# Allegro board DuoModule 01 Evaluation Board V1.1.brd (continued)
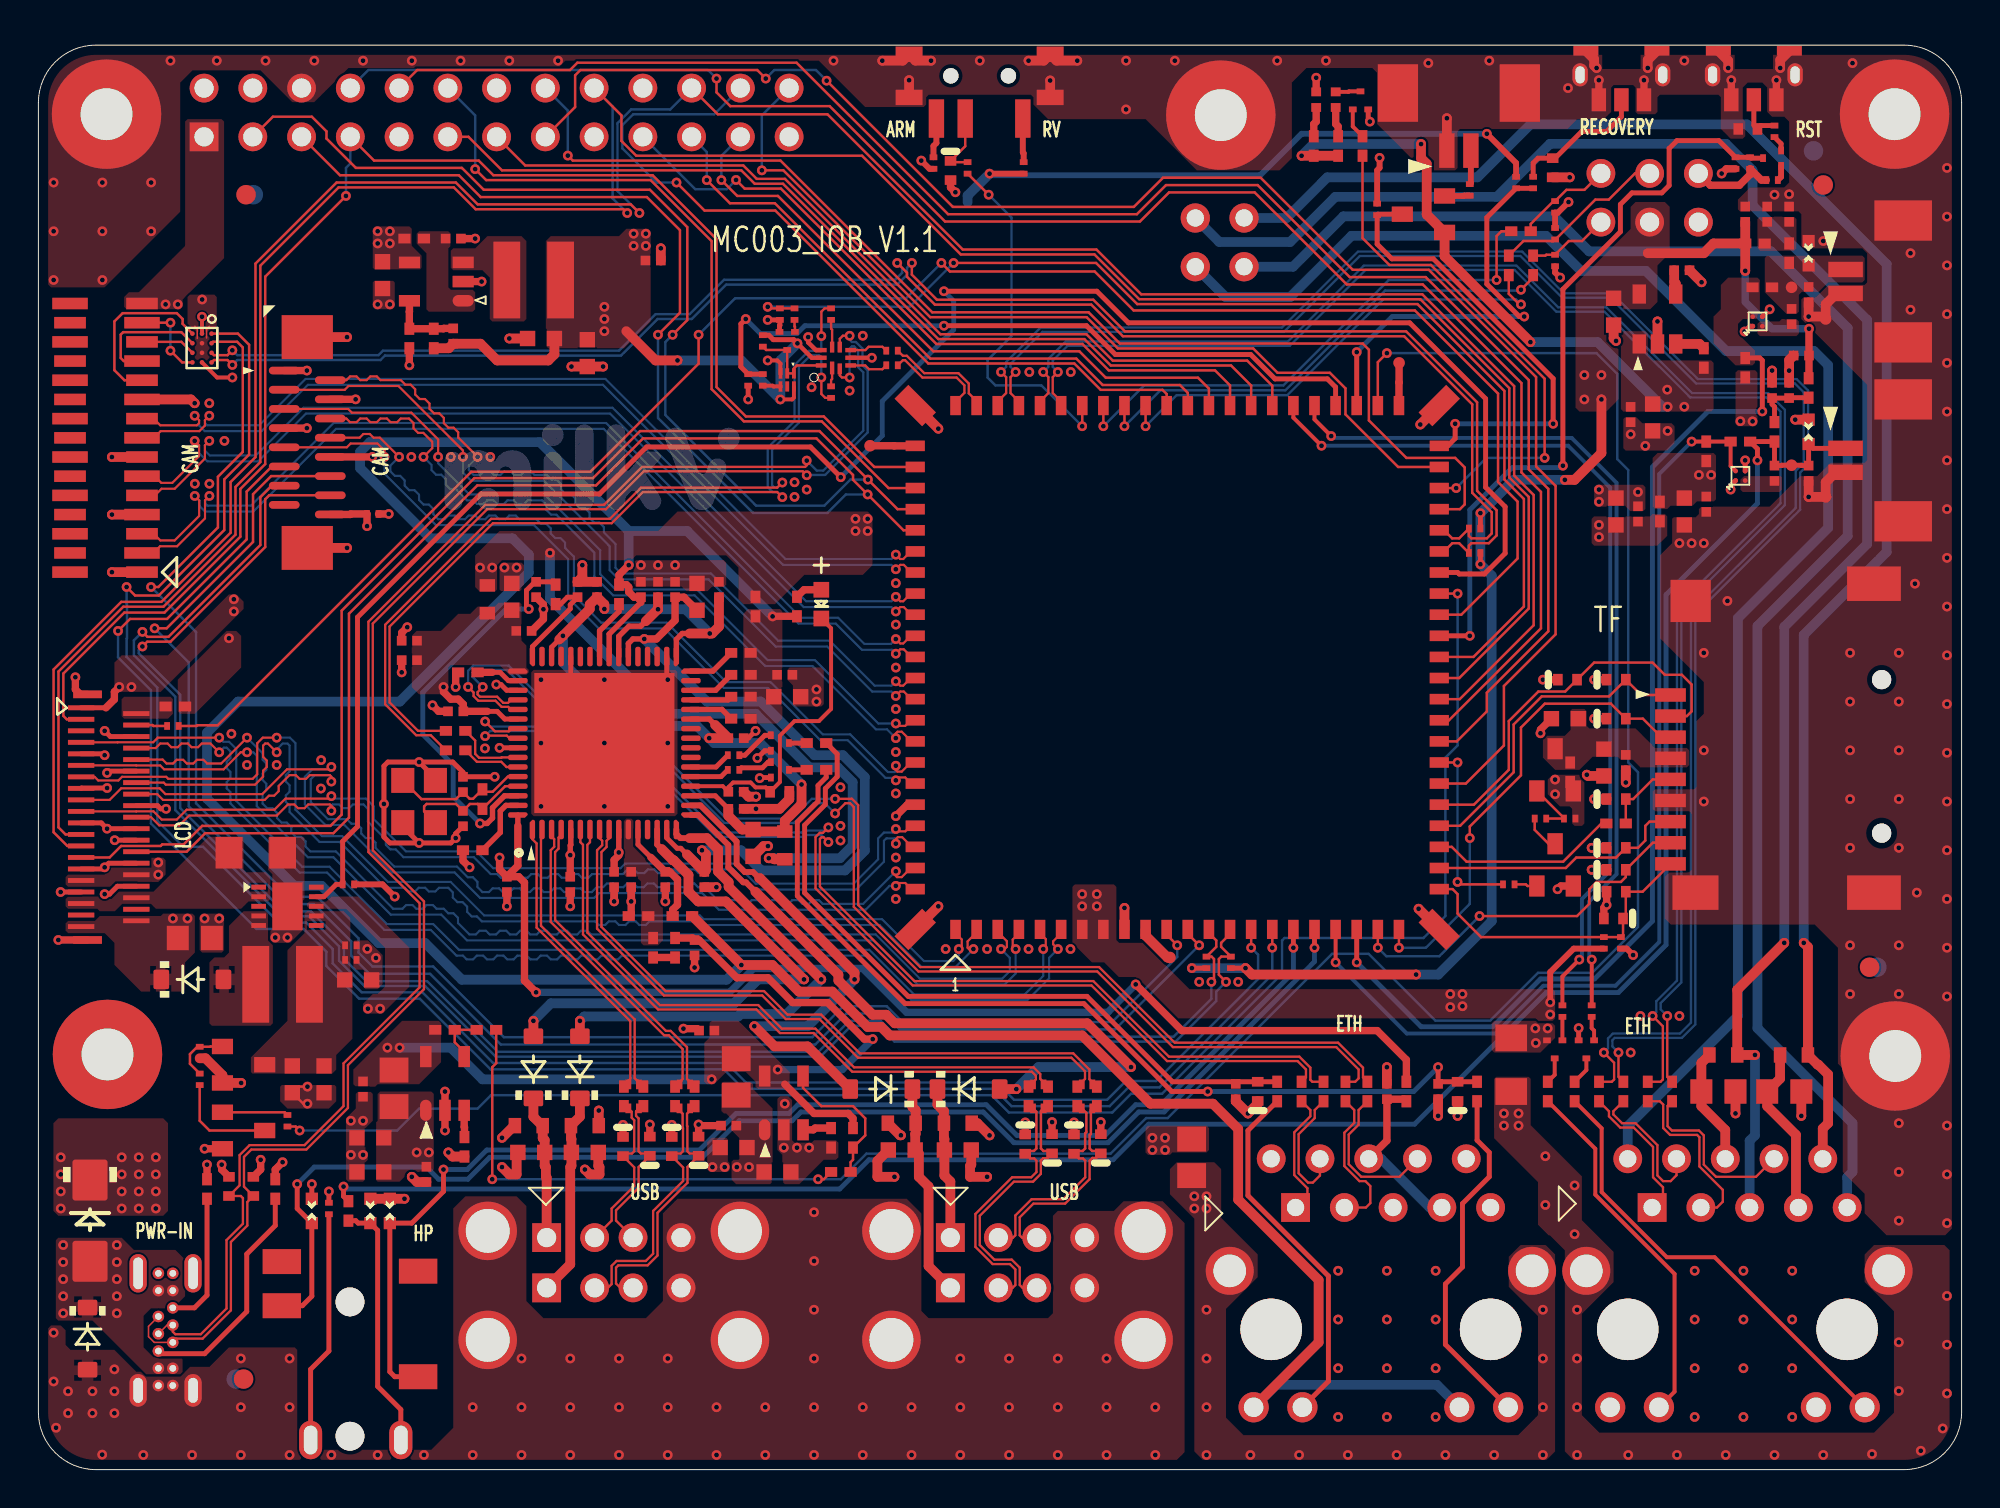
[diagram p0: board, top side]
## Routing (per net, layer and track width the routed paths; a pad name or vN(x,y) marks a point on that pad's centre or on a via; arc(x,y) is an arc through that point) (continued)
N18586338: length 1
  TOP w0.119: U2.1 41.35,56.84 41.3,56.79 R22.2
N18586356: length 1.4
  TOP w0.119: U2.7 41.35,59.4 41.3,59.46 R24.2
N18586378: length 2
  TOP w0.119: R23.1 43.97,57.35 43.27,57.35 43.07,57.54 U2.3
N18586396: length 2
  TOP w0.119: U2.5 43.08,58.34 43.25,58.52 43.97,58.52 R25.1
N18599056: length 2.1
  TOP w0.254: Q5.1 37.85,38.27 36.81,37.23 R54.1
N18599095: length 0.9
  TOP w0.254: Q5.3 R48.2
N18599652: length 0.9
  TOP w0.254: R49.2 39.1,36.47
N18599656: length 1.8
  TOP w0.254: R55.1 36.62,36.57 37.72,36.57 38.02,36.87 Q4.1
N18603087: length 8.9
  TOP w0.508: JP2.7 91.56,13.79 91.56,17.44 90.07,18.94 C83.2 90.74,20.38 R102.2
N18603089: length 6.1
  TOP w0.508: JP2.4 87.88,17.7 86.64,18.94 C82.2 86.64,21.19 R103.2
N18604088: length 1.4
  TOP w0.203: Q11.3 78.99,20.57 78.63,20.21
N18604090: length 1.2
  TOP w0.203: R109.1 Q11.1
N18604128: length 1.5
  TOP w0.203: 80.03,20.21 80.65,20.83 Q12.3
N18604135: length 1.3
  TOP w0.203: Q12.1 81.05,22.88 80.92,23.01 R111.1
N18608962: length 4
  TOP w0.127: R64.2 ED9.1 83.08,34.94 84.1,35.97 CN14A1.5
N18609805: length 2.9
  TOP w0.127: R62.1 R61.2 79.48,33.96 Q6.1
N18609875: length 1.2
  TOP w0.127: Q7.1 77.58,30.42 77.49,30.5 R63.2
N18609896: length 2
  TOP w0.127: Q7.3 78.68,32.62 77.95,33.34 R62.2
N18611461: length 1.6
  TOP w0.381: D21.1 66.57,70.25 66.44,70.12 R6.2
N18623706: length 13.2
  TOP w0.254: J5.5 18.88,3.13 17.67,4.34 17.67,12.47 ED13.1 16.66,12.85 16.53,12.97 R89.2
N18623715: length 12.2
  TOP w0.254: J5.2 14.18,5.23 15.13,6.18 R88.2
N18625542: length 1.3
  TOP w0.305: D22.2 74.25,66.37 74.27,66.39 R122.2
N18627362: length 9.1
  TOP w0.127: R112.1 77.36,64.03 78.93,64.03 R117.1 79.04,64.11 81.11,66.19 81.81,66.19 83.18,67.55 J15.4
N18627380: length 4.3
  TOP w0.127: J15.5 80.42,64.03 79.73,64.03 R116.1 78.55,63.31 78.51,63.27 R113.1
N18627382: length 5.1
  TOP w0.127: J15.6 80.54,66.69 79.6,66.69 R115.1 78.93,66.11 77.75,64.92 R114.1
N183479583: length 0.9
  TOP w0.203: R31.1 38.25,56.49 38.29,56.45 U3.4
N185233440: length 1.1
  TOP w0.381: FB4.1 R16.1
N185616840: length 0.8
  TOP w0.305: R1.1 90.79,67.37 Q1.1
N185618232: length 2.1
  TOP w0.305: R10.1 46.63,68.98 46.78,69.13 J1.3

## Copper pours and planes (outline as drawn; the poured copper is in the pictures)
1V8 on TOP: 7.39,39.39 8.15,39.39 10.56,41.8 10.56,43.45 10.31,43.71 9.8,43.71 7.26,41.17 7.26,39.52
1V8 on TOP: 8.28,57.8 8.78,57.8 8.91,57.93 8.91,59.2 9.29,59.58 9.29,61.11 9.17,61.23 7.9,61.23 7.77,61.11 7.77,59.58 8.15,59.2 8.15,57.93
1V8 on TOP: 82.95,65.81 82.95,64.66 80.08,61.79 80.08,55.35 80.29,55.14 81.68,55.14 82.32,55.77 82.32,60.34 82.44,60.47 83.97,60.47 84.35,60.85 84.35,62.76 84.98,63.39 84.98,65.81 84.73,66.06 83.21,66.06
1V8 on BOTTOM: 10.44,43.2 10.44,43.71 5.1,49.04 5.1,59.96 6.37,61.23 7.51,61.23 8.02,60.73 9.17,60.73 10.82,62.38 26.56,62.38 27.45,61.49 34.57,61.49 36.34,63.27 47.77,63.27 48.15,62.88 48.15,59.58 47.14,58.57 47.14,54.88 51.08,50.95 63.78,50.95 67.97,55.14 81.43,55.14 81.68,55.39 81.68,57.3 81.3,57.68 67.71,57.68 63.65,53.61 51.71,53.61 49.17,56.15 49.17,57.8 50.44,59.07 50.44,64.41 48.66,66.19 35.84,66.19 33.04,63.39 29.23,63.39 28.85,63.77 20.6,63.77 20.34,63.52 6.88,63.52 3.96,60.6 3.96,48.66 9.67,42.95 10.18,42.95
3V3 on TOP: 9.55,70.38 7.77,70.38 7.64,70.25 7.64,63.77 5.23,61.36 4.72,61.36 4.47,61.11 4.47,60.6 4.59,60.47 7.39,60.47 7.51,60.6 7.51,60.98 9.67,63.14 9.67,70.25
3V3 on TOP: 6.75,42.44 4.34,42.44 3.96,42.06 3.96,40.66 4.09,40.53 6.37,40.53 10.69,44.85 10.69,45.23 10.31,45.61 9.93,45.61
3V3 on TOP: 82.44,59.2 82.44,55.26 82.57,55.14 87.14,55.14 87.27,55.26 87.27,57.68 87.14,57.8 84.1,57.8 83.84,58.06 83.84,59.2 83.71,59.33 82.57,59.33
3V3 on TOP: 80.29,36.21 78.89,36.21 78.63,35.96 78.63,35.2 79.27,34.56 79.78,34.56 79.9,34.44 79.9,33.67 80.03,33.55 80.41,33.55 80.54,33.67 80.54,35.96
3V3 on TOP: 59.33,23.51 57.17,25.67 56.28,25.67 55.52,26.44 54.89,26.44 53.87,27.45 53.87,30.37 54,30.5 56.03,30.5 56.16,30.37 56.16,27.6 56.3,27.45 57.55,27.45 59.97,25.04 78.89,25.04 79.02,24.91 79.02,23.51 78.89,23.39 78.13,23.39 78,23.51
3V3 on TOP: 24.02,48.91 32.28,48.91 33.3,49.93 43.2,49.93 43.46,49.68 43.46,47.14 42.95,46.63 39.9,46.63 38.38,45.1 36.72,45.1 36.47,45.36 36.47,47.01 35.84,47.64 31.14,47.64 30.88,47.39 24.15,47.39 23.9,47.14 23.9,45.87 23.77,45.74 23.01,45.74 22.75,45.99 22.75,47.64
3V3 on TOP: 1.55,30.37 4.09,30.37 4.34,30.63 6.24,30.63 6.63,31.01 6.63,31.76 6.5,31.89 5.36,31.89 4.85,31.37 3.82,31.37 3.45,31.01 1.55,31.01 1.42,30.88 1.42,30.5
3V3 on TOP: 80.92,48.28 80.92,49.55 81.05,49.68 83.97,49.68 84.1,49.8 84.73,49.8 84.86,49.68 84.86,48.66 84.35,48.15 81.05,48.15
3V3 on TOP: 26.44,58.57 26.44,64.03 26.69,64.28 30.25,64.28 30.63,64.66 31.77,64.66 31.9,64.54 31.9,59.84 30.5,58.44 26.56,58.44
3V3 on BOTTOM: 3.58,32.79 5.74,30.63 6.24,30.63 6.63,31.01 6.63,32.28 5.61,33.29 5.61,40.41 4.85,41.17 4.21,41.17 3.96,40.91 3.96,40.41 3.58,40.02
3V3 on BOTTOM: 73.17,25.04 76.22,28.09 76.22,48.79 77.24,49.8 81.3,49.8 81.56,49.55 81.56,48.03 80.03,46.5 80.03,27.71 75.97,23.64 73.55,23.64 73.17,24.02
3V3 on BOTTOM: 78.51,17.93 78.51,24.53 78.63,24.66 80.54,24.66 81.17,24.02 81.17,18.31 82.06,17.42 82.06,15.39 83.21,14.24 83.21,13.1 90.57,5.73 92.48,5.73 93.49,4.72 93.49,2.69 93.11,2.31 81.43,2.31 80.92,2.81 80.92,3.58 81.56,4.21 82.32,4.21 85.24,7.13 85.24,9.16 80.98,13.42 80.98,15.45
3V3 on BOTTOM: 5.23,49.17 5.23,59.96 6.37,61.11 7.39,61.11 7.9,60.6 9.29,60.6 10.94,62.25 23.52,62.25 23.64,62.12 26.56,62.12 27.33,61.36 30.25,61.36 30.37,61.23 30.37,59.46 29.99,59.07 15.64,59.07 15.39,58.82 10.18,58.82 9.74,58.38 9.74,57.61 7.77,55.65 7.77,50.31 8.53,49.55 17.55,49.55 19.07,48.03 23.64,48.03 23.9,47.77 23.9,46.12 22.63,44.85 18.44,44.85 17.8,44.22 10.18,44.22
3V3 on BOTTOM: 31.9,63.52 29.36,63.52 27.83,65.04 27.83,70.25 27.96,70.38 29.61,70.38 29.74,70.25 29.74,65.93 30.25,65.42 31.77,65.42 32.03,65.17 32.03,63.65
3V3 on GND2: 53.98,29.1 53.87,29.21 53.87,40.51 45.72,48.66 42.29,48.66 42.06,48.89 42.06,49.7 42.29,49.93 43.43,49.93 43.94,50.44 47.16,50.44 55.9,41.7 55.9,29.21 55.8,29.1
3V3 on GND2: 81.15,47.77 80.92,48 80.92,49.32 83.97,52.37 83.97,63.03 85.62,64.68 85.62,68.24 85.98,68.6 87.29,68.6 89.3,66.59 89.3,61.97 88.03,60.7 88.03,52.7 83.1,47.77
3V3_A on TOP: 24.53,41.42 25.42,41.42 25.55,41.55 25.55,41.68 25.42,41.8 25.42,42.95 25.17,43.2 25.17,45.1 25.09,45.19 23.98,45.19 23.77,44.98 22.88,44.98 22.5,44.6 21.87,44.6 20.98,43.71 19.71,43.71 19.45,43.45 19.45,40.79 19.83,40.41 21.23,40.41 21.36,40.53 21.36,41.8 21.48,41.93 24.02,41.93
3V3_A on BOTTOM: 20.85,40.91 20.98,41.04 21.36,41.04 21.48,40.91 21.48,40.66 21.74,40.41 23.39,40.41 23.52,40.53 23.52,41.04 23.64,41.17 24.15,41.17 24.28,41.04 24.28,39.77 23.9,39.39 23.14,39.39 22.88,39.14 22.88,37.36 23.01,37.23 23.52,37.23 23.64,37.36 23.64,37.87 23.77,37.99 25.29,37.99 30.5,32.79 30.5,31.9 30.25,31.64 23.9,31.64 23.77,31.77 23.77,34.18 21.99,35.96 21.99,36.98 20.85,38.12
3V3_AUDIO on TOP: 84.22,50.06 84.86,50.06 85.03,50.23 86.17,50.23 86.41,50.46 87.29,50.46 87.4,50.57 87.4,52.85 87.27,52.98 84.35,52.98 84.1,52.72 84.1,50.18
3V3_AUDIO on TOP: 88.41,54.5 88.41,57.17 88.54,57.3 89.43,57.3 89.56,57.17 89.56,54.5 89.43,54.38 88.54,54.38
3V3_AUDIO on BOTTOM: 88.41,55.01 89.3,55.01 89.56,54.76 89.56,53.87 87.27,51.58 86.38,51.58 86.13,51.84 86.13,52.72
3V3_SD on TOP: 80.54,39.64 79.9,39.64 79.82,39.56 79.82,38.55 79.52,38.25 78.51,38.25 78.38,38.12 78.38,37.1 79.02,36.47 80.29,36.47 80.97,37.15 82.27,37.15 82.44,36.98 83.08,36.98 83.46,36.6 85.87,36.6 86,36.72 86,37.48 85.87,37.61 84.22,37.61 83.21,38.63 80.79,38.63 80.67,38.75 80.67,39.52
GND on TOP: 38.76,15.01 38.76,16.4 38.5,16.66 38.5,19.32 38.63,19.45 39.14,19.45 39.26,19.32 39.26,17.16 39.39,17.04 40.28,17.04 40.41,17.16 41.55,17.16 41.68,17.04 41.68,16.28 41.55,16.15 40.92,16.15 39.65,14.88 38.88,14.88
GND on TOP: 25.68,34.18 25.68,41.55 25.8,41.68 33.17,41.68 33.3,41.55 33.3,34.18 33.17,34.06 25.8,34.06
GND on TOP: 3,0.51 1.24,1.24 0.51,3 0.51,7.36 0.53,7.39 0.54,7.38 0.54,7.39 0.66,7.51 1.16,7.51 1.42,7.26 1.42,6.5 1.67,6.24 3.96,6.24 5.1,5.1 5.36,5.1 5.61,4.85 7.39,4.85 7.9,5.35 8.91,5.35 9.93,6.37 13.36,6.37 13.48,6.24 13.48,1.16 14.63,1.16 14.75,1.04 20.47,1.04 21.61,2.18 21.61,13.61 22.25,14.24 24.91,14.24 25.42,13.74 25.42,8.78 26.31,7.89 31.64,7.89 32.53,8.78 32.53,13.35 33.3,14.12 45.23,14.12 46,13.35 46,8.27 46.38,7.89 52.6,7.89 52.85,8.15 52.85,13.23 53.11,13.48 56.03,13.48 56.54,13.99 58.57,13.99 59.71,12.85 59.71,0.91 59.31,0.51
GND on TOP: 17.55,62 18.44,62 18.56,61.87 18.56,60.6 18.44,60.47 17.55,60.47 17.42,60.6 17.42,61.87
GND on TOP: 8.4,27.07 8.4,28.85 8.53,28.98 9.55,28.98 9.67,28.85 9.67,27.07 9.55,26.94 8.53,26.94
GND on TOP: 25.17,47.26 25.29,47.14 25.29,46.12 25.17,45.99 25.17,45.87 25.04,45.74 24.15,45.74 24.02,45.87 24.02,47.14 24.15,47.26
GND on TOP: 83.26,54.84 83.56,54.53 85.08,54.53 85.24,54.38 85.24,53.49 84.86,53.11 82.7,53.11 82.57,53.23 82.57,54.76 82.65,54.84
GND on TOP: 13.92,20.21 14.12,20.21 14.29,20.04 15.44,20.04 15.52,19.96 15.52,19.2 15.13,18.82 12.98,18.82 12.59,19.2 12.59,19.96 12.68,20.04 13.74,20.04
GND on TOP: 16.02,15.13 16.02,18.31 16.53,18.82 16.53,19.58 16.64,19.68 17.32,19.68 17.42,19.58 17.42,18.18 17.04,17.8 17.04,16.66 17.17,16.53 17.17,16.15 17.04,16.02 17.04,15.13 16.91,15.01 16.15,15.01
GND on TOP: 34.85,15.64 34.85,17.06 35.07,17.29 35.84,17.29 35.92,17.21 35.92,16.07 36.09,15.89 36.09,15.69 35.91,15.51 34.97,15.51
GND on TOP: 81.17,50.18 82.7,50.18 82.95,49.93 83.59,49.93 83.71,50.06 83.71,51.2 83.59,51.33 81.17,51.33 81.05,51.2 81.05,50.31
GND on TOP: 12.21,27.45 13.1,27.45 13.74,28.09 13.74,29.61 13.86,29.74 13.86,32.91 13.74,33.04 12.09,33.04 11.96,32.91 11.96,31.26 12.19,31.03 12.19,28.19 12.09,28.09 12.09,27.58
GND on TOP: 17.67,25.04 17.04,25.04 16.96,25.12 16.96,26.02 16.93,26.05 16.53,26.05 16.4,26.18 16.4,27.5 16.48,27.58 17.17,27.58 17.93,26.82 17.93,25.29
GND on TOP: 60.85,16.53 59.08,16.53 58.95,16.4 57.81,16.4 57.68,16.53 57.68,17.8 57.81,17.93 60.85,17.93 60.98,17.8 60.98,16.66
GND on TOP: 39.14,41.8 40.79,41.8 40.92,41.68 40.92,39.9 40.79,39.77 39.39,39.77 39.31,39.85 39.31,40.87 39.01,41.17 39.01,41.68
GND on TOP: 33.67,45.87 33.68,45.87 33.8,45.74 34.82,45.74 35.07,45.99 35.71,45.99 35.84,46.12 35.84,47.26 35.71,47.39 31.14,47.39 31.01,47.26 31.01,46.12 31.11,46.02 33.52,46.02
GND on TOP: 75.71,21.86 75.71,23.26 75.84,23.39 78,23.39 78.13,23.26 78.89,23.26 79.02,23.13 79.02,22.5 78.25,21.74 75.84,21.74
GND on TOP: 96.29,12.21 95.14,13.35 95.14,14.37 94,15.51 94,20.72 93.75,20.97 93.75,27.2 92.54,28.4 85.05,28.4 84.73,28.72 84.73,30.88 84.98,31.13 86,31.13 86.13,31.26 86.13,34.18 86,34.31 84.22,34.31 84.1,34.44 84.1,35.33 84.22,35.45 86.25,35.45 86.38,35.58 86.38,39.01 86.76,39.39 86.76,41.04 84.48,43.33 84.48,47.64 85.11,48.28 85.11,49.55 85.19,49.63 86.34,49.63 86.51,49.8 86.51,50.06 86.64,50.18 90.19,50.18 91.78,51.77 92.67,51.77 93.37,52.47 95.14,52.47 95.27,52.6 95.27,56.53 91.84,59.96 91.84,60.98 91.97,61.11 92.6,61.11 93.24,61.74 95.14,61.74 95.27,61.87 95.27,63.39 95.02,63.65 91.97,63.65 91.84,63.77 91.84,65.42 91.69,65.57 88.64,65.57 88.54,65.68 88.54,66.19 89.18,66.82 90.95,66.82 91.21,67.08 91.21,70.25 90.95,70.5 90.32,70.5 90.06,70.76 90.06,72.03 89.81,72.28 89.05,72.28 88.79,72.03 88.79,70.38 88.92,70.25 88.92,69.49 88.79,69.36 88.16,69.36 87.65,69.87 87.65,71.52 87.52,71.65 84.48,71.65 84.35,71.52 84.35,70.76 84.22,70.63 83.33,70.63 83.21,70.76 83.21,72.03 83.08,72.16 82.06,72.16 81.94,72.03 81.94,70.76 81.56,70.38 80.16,70.38 79.65,69.87 74.06,69.87 73.94,69.74 73.94,67.84 73.81,67.71 72.16,67.71 69.74,70.12 69.74,72.79 69.49,73.04 66.06,73.04 65.3,72.28 65.3,68.35 64.66,67.71 60.35,67.71 57.68,70.38 52.6,70.38 51.84,71.14 51.84,71.52 51.71,71.65 46.38,71.65 46.25,71.52 46.25,71.14 46.12,71.01 43.07,71.01 40.66,73.43 27.45,73.43 27.07,73.04 16.15,73.04 14.37,71.27 13.23,71.27 11.58,72.92 8.02,72.92 7.39,72.28 7.39,65.55 3.45,61.61 0.66,61.61 0.51,61.76 0.51,71.24 1.24,73 3,73.73 97.19,73.73 98.96,73 99.69,71.24 99.69,12.56 99.34,12.21
GND on BOTTOM: 17.67,33.93 17.67,36.85 17.93,37.1 20.98,37.1 21.36,36.72 21.36,34.82 21.99,34.18 21.99,32.66 21.74,32.4 19.2,32.4
GND on BOTTOM: 96.67,12.21 96.54,12.34 96.54,17.55 93.62,20.47 93.62,42.95 97.18,46.5 97.18,64.79 90.32,71.65 71.14,71.65 70.38,70.89 65.3,70.89 63.01,68.6 59.46,68.6 58.44,69.62 56.66,69.62 54.89,71.39 53.87,71.39 52.98,70.5 43.46,70.5 40.79,73.17 6.88,73.17 6.37,72.66 6.37,69.49 1.04,64.15 0.53,64.15 0.51,64.18 0.51,71.24 1.24,73 3,73.73 97.19,73.73 98.96,73 99.69,71.24 99.69,12.56 99.34,12.21
GND on BOTTOM: 46.12,28.09 72.67,28.09 73.05,28.47 73.05,49.93 72.54,50.44 46,50.44 45.61,50.06 45.61,28.59
GND on BOTTOM: 3,0.51 1.24,1.24 0.51,3 0.51,7.36 0.66,7.51 1.16,7.51 1.42,7.26 1.42,6.12 1.8,5.73 4.72,5.73 5.74,4.72 7.39,4.72 17.17,14.5 22.12,14.5 22.37,14.24 42.31,14.24 43.58,15.51 57.04,15.51 59.71,12.85 59.71,0.91 59.31,0.51
GND on GND2: 3,0.51 1.24,1.24 0.51,3 0.51,71.24 1.24,73 3,73.73 97.19,73.73 98.96,73 99.69,71.24 99.69,12.6 99.29,12.21 95.42,12.21 94.64,11.43 94.64,9.57 96.16,8.04 96.16,3.17 95.42,2.43 81.53,2.43 80.92,3.05 80.92,7.92 82.57,9.57 82.57,11.55 80.92,13.21 80.92,15.49 78.25,18.16 78.25,20.57 77.85,20.97 75.74,20.97 75.33,20.57 75.33,17.06 77.62,14.77 77.62,12.76 77.07,12.21 77.01,12.21 76.09,11.3 76.09,9.31 77.62,7.79 77.62,3.05 76.88,2.31 62.99,2.31 62.38,2.92 62.38,8.17 64.03,9.82 64.03,11.43 62.12,13.33 62.12,15.87 61.47,16.53 59.1,16.53 58.44,15.87 58.44,14.14 59.71,12.87 59.71,0.95 59.27,0.51 ; 2 cut-outs
GND on GND3: 3,0.51 1.24,1.24 0.51,3 0.51,71.24 1.24,73 3,73.73 97.19,73.73 98.96,73 99.69,71.24 99.69,12.6 99.29,12.21 95.42,12.21 94.64,11.43 94.64,9.57 96.16,8.04 96.16,3.17 95.42,2.43 81.53,2.43 80.92,3.05 80.92,7.92 82.57,9.57 82.57,11.55 80.92,13.21 80.92,15.49 78.25,18.16 78.25,20.57 77.85,20.97 75.74,20.97 75.33,20.57 75.33,17.06 77.62,14.77 77.62,12.76 77.07,12.21 77.01,12.21 76.09,11.3 76.09,9.31 77.62,7.79 77.62,3.05 76.88,2.31 62.99,2.31 62.38,2.92 62.38,8.17 64.03,9.82 64.03,11.43 62.12,13.33 62.12,15.87 61.47,16.53 59.1,16.53 58.44,15.87 58.44,14.14 59.71,12.87 59.71,0.95 59.27,0.51
GND_EARTH on TOP: 75.84,20.34 75.97,20.47 77.49,20.47 77.62,20.34 77.62,17.67 77.49,17.55 76.09,17.55 75.84,17.8
GND_EARTH on TOP: 79.97,0.51 79.52,0.95 79.52,11.43 78.74,12.21 78.68,12.21 78.13,12.76 78.13,14.98 75.84,17.27 75.84,20.36 75.95,20.47 77.64,20.47 77.75,20.36 77.75,17.95 80.41,15.28 80.41,13 82.06,11.34 82.06,9.78 80.41,8.13 80.41,2.84 81.32,1.92 95.63,1.92 96.67,2.96 96.67,8.25 95.14,9.78 95.14,11.22 95.63,11.7 99.29,11.7 99.57,11.43 99.57,2.25 98.67,0.99 97.19,0.51
GND_EARTH on BOTTOM, GND2, GND3: 79.97,0.51 79.52,0.95 79.52,11.43 78.74,12.21 78.68,12.21 78.13,12.76 78.13,14.98 75.84,17.27 75.84,20.36 75.95,20.47 77.64,20.47 77.75,20.36 77.75,17.95 80.41,15.28 80.41,13 82.06,11.34 82.06,9.78 80.41,8.13 80.41,2.84 81.32,1.92 95.63,1.92 96.67,2.96 96.67,8.25 95.14,9.78 95.14,11.22 95.63,11.7 99.29,11.7 99.69,11.31 99.69,3 98.96,1.24 97.19,0.51
VBUS on TOP: 4.34,12.08 4.97,11.45 7.13,11.45 7.64,10.94 7.64,9.04 7.01,8.4 5.86,8.4 5.48,8.02 5.48,6.37 5.99,5.86 7.39,5.86 7.51,5.73 7.51,5.1 7.39,4.97 5.61,4.97 2.82,7.77 1.04,7.77 0.91,7.89 0.91,11.96 1.04,12.08
VBUS on BOTTOM: 8.78,12.08 9.29,11.58 9.29,6.88 7.39,4.97 5.74,4.97 2.94,7.77 1.04,7.77 0.91,7.89 0.91,11.96 1.04,12.08
VCC5V0_USB1 on TOP: 20.6,19.58 20.47,19.7 17.8,19.7 17.67,19.58 17.67,18.18 17.59,18.1 17.59,15.09 17.67,15.01 18.82,15.01 19.33,15.51 20.47,15.51 20.6,15.64
VCC5V0_USB1 on BOTTOM: 25.04,17.29 30.12,17.29 30.37,17.55 30.37,18.82 30.25,18.94 24.41,18.94 23.77,18.31 20.09,18.31 19.33,17.55 19.33,16.4 19.71,16.02 23.77,16.02
VCC5V0_USB2 on TOP: 38.25,15.01 38.12,14.88 36.34,14.88 36.11,15.11 36.11,16.04 36.22,16.15 36.47,16.15 36.52,16.19 36.52,17.28 36.13,17.67 36.11,18.28 35.83,18.56 35.71,18.56 35.58,18.69 35.58,20.09 35.71,20.21 37.11,20.21 37.23,20.09 37.23,19.83 38.25,18.82
VCC5V0_USB2 on BOTTOM: 39.52,17.93 39.39,17.8 36.6,17.8 36.09,17.29 36.09,15.51 36.22,15.39 40.92,15.39 42.31,16.78 49.55,16.78 49.81,17.04 49.81,17.67 49.55,17.93
VCC_LEDA on TOP: 1.55,27.96 3.45,27.96 3.96,27.45 3.96,26.31 5.36,24.91 7.51,24.91 7.64,25.04 7.64,26.44 8.15,26.94 8.15,28.85 8.02,28.98 6.5,28.98 6.37,28.85 3.2,28.85 2.94,28.59 1.55,28.59 1.42,28.47 1.42,28.09
VCC_LEDA on TOP: 14.12,29.23 13.99,29.36 13.99,29.48 14.12,29.61 15.01,29.61 15.26,29.86 16.66,29.86 19.33,27.2 19.33,25.17 17.93,23.77 17.04,23.77 16.91,23.9 16.91,24.28 17.42,24.78 17.67,24.78 18.06,25.17 18.06,27.2 16.02,29.23
VCC_LEDA on BOTTOM: 12.59,24.4 17.93,24.4 18.06,24.28 18.06,23.39 17.93,23.26 12.09,23.26 6.75,28.59 6.75,28.85 6.88,28.98 8.02,28.98
VCC_LEDK on TOP: 10.94,29.61 11.96,29.61 12.09,29.74 12.09,30.88 11.83,31.13 10.82,31.13 10.69,31.26 10.69,32.91 10.56,33.04 8.91,33.04 5.99,30.12 4.09,30.12 3.96,29.99 3.2,29.99 3.07,29.86 1.55,29.86 1.42,29.74 1.42,29.36 1.55,29.23 3.07,29.23 3.2,29.1 3.99,29.1 4.37,29.48 5.86,29.48 6.12,29.23 10.56,29.23
AUDIO_IN_R on TOP: 88.41,57.55 87.27,58.69 87.27,60.09 87.65,60.47 87.65,61.74 88.03,62.12 89.56,62.12 89.68,62 89.68,60.09 89.56,59.96 88.79,59.96 88.54,59.71 88.54,59.2 89.43,58.31 89.43,57.68 89.3,57.55
LCD_BLIN on TOP: 12.98,23.39 12.98,27.07 13.86,27.96 13.86,28.98 13.99,29.1 15.9,29.1 16.25,28.75 16.25,26.03 16.35,25.93 16.35,22.45 15.52,21.61 15.52,20.85 15.31,20.64 11.15,20.64 11.07,20.72 11.07,21.48
PHY_3V3 on TOP: 36.72,39.01 36.72,44.6 36.98,44.85 38.63,44.85 38.76,44.72 38.76,39.14 38.5,38.88 36.85,38.88
USB_DET on TOP: 30.5,33.8 30.63,33.93 30.88,33.93 31.01,33.8 31.01,32.66 32.28,31.39 32.28,29.61 32.53,29.36 32.53,27.58 32.28,27.32 31.52,27.32 31.39,27.45 31.39,30.65 31.26,30.78 30.73,30.78 30.5,31.01
VSYS on TOP: 6.5,18.31 6.75,18.05 6.75,13.48 6.5,13.23 1.04,13.23 0.78,13.48 0.78,18.05 1.04,18.31
VSYS on TOP: 19.45,63.77 19.96,63.27 19.96,62.63 19.88,62.55 17.5,62.55 17.42,62.63 17.42,64.66 17.55,64.79 19.33,64.79 19.45,64.66
VSYS on TOP: 36.47,23.39 39.14,20.72 39.14,19.96 39.01,19.83 37.49,19.83 37.36,19.96 37.36,20.21 36.85,20.72 35.84,20.72 35.2,20.09 34.82,20.09 34.69,20.21 34.69,22.24 34.95,22.5 34.95,23.26 35.07,23.39
VSYS on TOP: 16.53,19.96 17.55,19.96 17.67,20.09 19.83,20.09 20.98,21.23 20.98,23.26 20.85,23.39 18.94,23.39 16.4,20.85 16.4,20.09
VSYS on BOTTOM: 1.04,13.23 0.78,13.48 0.78,18.05 1.04,18.31 4.85,18.31 6.88,20.34 6.88,22.37 0.66,28.59 0.66,62.5 0.91,62.76 0.91,63.65 6.37,69.11 6.37,72.41 7.01,73.04 15.39,73.04 15.52,72.92 15.52,71.39 15.77,71.14 18.31,71.14 18.69,70.76 18.69,63.77 18.56,63.65 6.63,63.65 3.7,60.73 3.7,40.53 3.2,40.02 3.2,32.79 5.99,29.99 5.99,28.72 11.58,23.13 18.44,23.13 19.07,22.5 19.07,18.94 18.56,18.43 13.48,18.43 12.85,17.8 12.85,14.88 11.2,13.23
N18013908 on TOP: 19.83,64.54 21.36,64.54 21.48,64.41 21.48,63.77 21.36,63.65 21.36,61.61 21.48,61.49 22.63,61.49 22.75,61.36 22.75,60.47 22.63,60.34 20.34,60.34 20.21,60.47 20.21,63.39 19.71,63.9 19.71,64.41
N18013924 on TOP: 23.39,64.28 25.17,64.28 25.42,64.03 25.42,59.96 25.29,59.84 23.64,59.84 23.52,59.96 23.52,62.12 23.14,62.5 21.61,62.5 21.48,62.63 21.48,63.52 21.61,63.65 22.75,63.65
N18342854 on TOP: 89.94,61.36 89.94,63.14 90.06,63.27 95.02,63.27 95.14,63.14 95.14,62 95.02,61.87 93.24,61.87 92.76,61.38 91.87,61.38 91.72,61.23 91.72,60.34 91.61,60.24 91.06,60.24
N18342881 on TOP: 89.56,63.65 89.56,65.17 89.68,65.3 91.46,65.3 91.59,65.17 91.59,63.65 91.46,63.52 89.68,63.52
N18343006 on TOP: 89.56,59.2 89.56,59.71 89.68,59.84 90.7,59.84 90.83,59.96 91.59,59.96 91.72,59.84 91.72,59.2 91.59,59.07 89.68,59.07
N18343217 on TOP: 88.67,51.07 88.67,51.58 88.86,51.77 90.76,51.77 90.83,51.71 90.83,51.07 90.7,50.95 88.79,50.95
N18344146 on TOP: 9.93,28.34 10.69,29.1 11.83,29.1 11.96,28.98 11.96,27.58 12.21,27.32 12.21,23.26 12.09,23.13 9.04,23.13 8.91,23.26 8.91,26.44 9.17,26.69 9.67,26.69 9.93,26.94
N18356914 on TOP: 4.47,39.14 6.75,39.14 7.01,39.39 7.01,40.15 6.88,40.28 4.47,40.28 4.34,40.15 4.34,39.26
N18395443 on TOP, BOTTOM, GND2, GND3: 60.66,0.51 60.22,0.95 60.22,13.08 58.95,14.35 58.95,15.66 59.31,16.02 61.26,16.02 61.62,15.66 61.62,13.12 63.52,11.22 63.52,10.03 61.87,8.38 61.87,2.71 62.78,1.8 77.09,1.8 78.13,2.84 78.13,8 76.6,9.52 76.6,11.09 77.22,11.7 78.53,11.7 79.02,11.22 79.02,0.95 78.57,0.51

## Text on the board
User.Comments: CR_UNNAMED_4
Ref Des/Silkscreen Top: PWR-IN | HP | USB | ARM | RV | ETH | RECOVERY | RST | LCD | CAM | MC003_IOB_V1.1 | TF
DIMENSION: DIFFERENTIAL PAIR IMPEDANCE CONTROL | SINGLE TRACE IMPEDANCE CONTROL | LAYER | 1,4 | 1.4 | WIDTH/SPACE (mils) | WIDTH (mils) | 5 | 4.7/4.3 | 4.4/7.6 | IMPEDANCE (ohm) | 85 | 100 | 50 | PRECISION | +/-10% | FREQUENCY (MHZ) | DEFAULT | REMARK
User.5: 2 | 1 | 20 | 19 | 40 | 39
User.6: 1 | 2 | A | B | 3 | 4 | 6 | 49 | 64 | 48 | 33 | 16 | 32 | 17 | 5 | 10 | 9 | 11 | 12 | 15 | PCB EDGE | EMC EDGE
User.10: FIGURE | SIZE | 10.0 | 13.78 | 35.4291 | 35.43 | 39.37 | 40.0 | 66.929 | 90.0 | 106.2992 | 125.98 | 31.5 | 59.06 | 35.0x19.0 | 51.18x19.68 | 59.06x27.56 | 64.96x19.68 | DRILL CHART: TOP to BOTTOM | ALL UNITS ARE IN MILS | PLATED | NON-PLATED | QTY | 752 | 14 | 2 | 18 | 4 | 48 | 8 | 5
